# EAGLE board working (EAGLE 9.5.2), part 3 of 4 (continued)
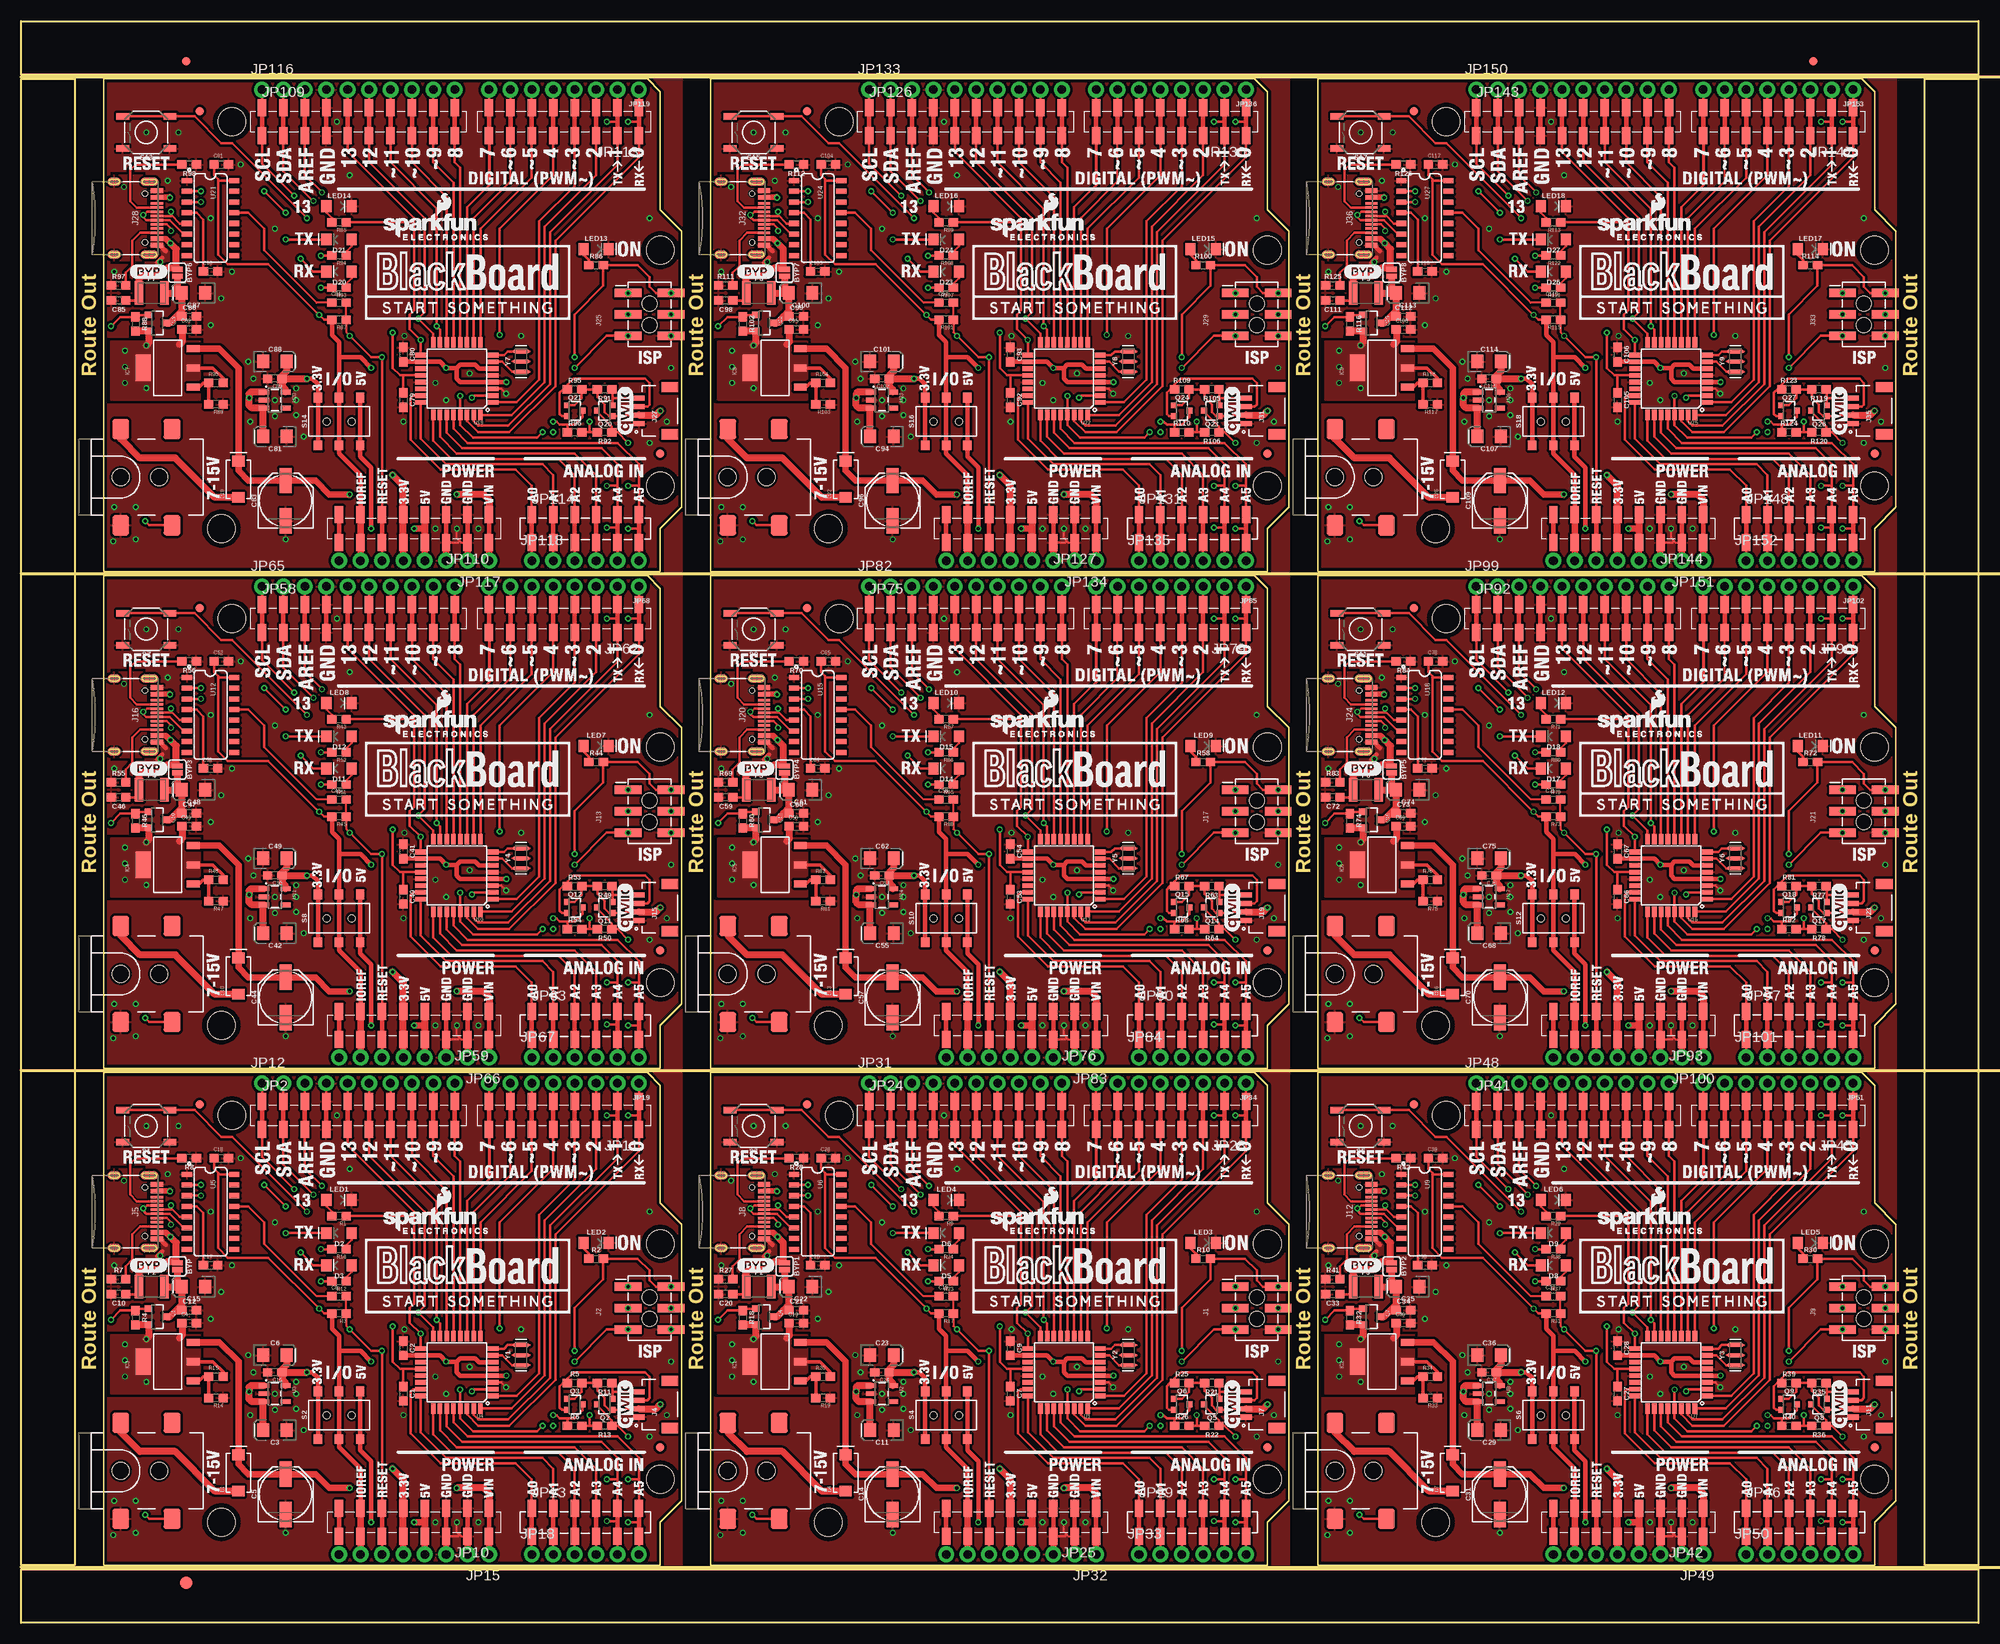
[diagram p0: board, top side]
## Tracks (layer width: path | path; a pad name or v marks a point on that pad's centre or on a via) (continued)
GND  (via drill 0.38, 0.38 pad 0.51)
  Top 0.254: JP10.2B 52.2,10.29 52.01,10.48 51.69,10.79 v51.69,11.94
  Top 0.305: U4.3 56.95,28.52 v57.53,27.94 | JP10.3A 51.82,10.29 52.01,10.48 | JP2.4A JP12.4
  Top 0.508: 16.72,44.05 16.13,43.46 | 16.43,45.54 17.14,44.83
  Top 0.762: JP10.2B JP15.2 | JP10.3A JP15.3
  Bottom 0.813: JP14.GND 12.06,46.1 12.57,45.59 12.57,42.42
  other vias: 14.86,58.93 74.55,48.77 50.42,27.18 37.47,60.2 53.21,30.35 59.31,34.8 45.47,34.8 11.05,14.48 38.99,53.85 77.09,30.99 27.56,29.72 27.18,24.64 77.09,34.8 16.51,43.56 23.75,39.24 25.02,42.42 22.48,36.07 22.48,48.77 18.67,58.93 30.1,47.5 33.53,22.86 45.34,24.64 49.15,29.21 17.4,53.21 11.05,42.42 30.1,27.18 32.64,27.18 32.64,28.57 32.64,25.4 30.1,25.27 26.92,31.75 26.04,55.12 13.59,10.67 13.59,14.48 10.92,10.41 31.37,10.67 74.55,22.1 76.58,24.64 54.23,11.94 49.15,11.94
  pour Top (isolate 0.305, rank 2): 9.78,65.28 78.36,65.28 78.36,6.86 9.78,6.86
  pour Bottom (isolate 0.305, rank 2): 9.78,65.28 78.36,65.28 78.36,6.86 9.78,6.86
GND1  (via drill 0.38, 0.38 pad 0.51)
  Top 0.254: JP25.2B 124.2,10.29 124.02,10.48 123.7,10.79 v123.7,11.94
  Top 0.305: U1.3 128.96,28.52 v129.54,27.94 | JP25.3A 123.83,10.29 124.02,10.48 | JP24.4A JP31.4
  Top 0.508: 88.73,44.05 88.14,43.46 | 88.44,45.54 89.15,44.83
  Top 0.762: JP25.2B JP32.2 | JP25.3A JP32.3
  Bottom 0.813: JP30.GND 84.07,46.1 84.58,45.59 84.58,42.42
  other vias: 86.87,58.93 146.56,48.77 122.43,27.18 109.47,60.2 125.22,30.35 131.32,34.8 117.47,34.8 83.06,14.48 111,53.85 149.1,30.99 99.57,29.72 99.19,24.64 149.1,34.8 88.52,43.56 95.76,39.24 97.03,42.42 94.49,36.07 94.49,48.77 90.68,58.93 102.11,47.5 105.54,22.86 117.35,24.64 121.16,29.21 89.41,53.21 83.06,42.42 102.11,27.18 104.65,27.18 104.65,28.57 104.65,25.4 102.11,25.27 98.93,31.75 98.04,55.12 85.6,10.67 85.6,14.48 82.93,10.41 103.38,10.67 146.56,22.1 148.59,24.64 126.24,11.94 121.16,11.94
  pour Top (isolate 0.305, rank 2): 81.79,65.28 150.37,65.28 150.37,6.86 81.79,6.86
  pour Bottom (isolate 0.305, rank 2): 81.79,65.28 150.37,65.28 150.37,6.86 81.79,6.86
GND2  (via drill 0.38, 0.38 pad 0.51)
  Top 0.254: JP42.2B 196.21,10.29 196.02,10.48 195.71,10.79 v195.71,11.94
  Top 0.305: U7.3 200.97,28.52 v201.55,27.94 | JP42.3A 195.84,10.29 196.02,10.48 | JP41.4A JP48.4
  Top 0.508: 160.74,44.05 160.15,43.46 | 160.45,45.54 161.16,44.83
  Top 0.762: JP42.2B JP49.2 | JP42.3A JP49.3
  Bottom 0.813: JP47.GND 156.08,46.1 156.59,45.59 156.59,42.42
  other vias: 158.88,58.93 218.57,48.77 194.44,27.18 181.48,60.2 197.23,30.35 203.33,34.8 189.48,34.8 155.07,14.48 183.01,53.85 221.11,30.99 171.58,29.72 171.2,24.64 221.11,34.8 160.53,43.56 167.77,39.24 169.04,42.42 166.5,36.07 166.5,48.77 162.69,58.93 174.12,47.5 177.55,22.86 189.36,24.64 193.17,29.21 161.42,53.21 155.07,42.42 174.12,27.18 176.66,27.18 176.66,28.57 176.66,25.4 174.12,25.27 170.94,31.75 170.05,55.12 157.61,10.67 157.61,14.48 154.94,10.41 175.39,10.67 218.57,22.1 220.6,24.64 198.25,11.94 193.17,11.94
  pour Top (isolate 0.305, rank 2): 153.8,65.28 222.38,65.28 222.38,6.86 153.8,6.86
  pour Bottom (isolate 0.305, rank 2): 153.8,65.28 222.38,65.28 222.38,6.86 153.8,6.86
GND3  (via drill 0.38, 0.38 pad 0.51)
  Top 0.254: JP59.2B 52.2,69.22 52.01,69.41 51.69,69.72 v51.69,70.87
  Top 0.305: U10.3 56.95,87.45 v57.53,86.87 | JP59.3A 51.82,69.22 52.01,69.41 | JP58.4A JP65.4
  Top 0.508: 16.72,102.98 16.13,102.39 | 16.43,104.47 17.14,103.76
  Top 0.762: JP59.2B JP66.2 | JP59.3A JP66.3
  Bottom 0.813: JP64.GND 12.06,105.03 12.57,104.52 12.57,101.35
  other vias: 14.86,117.86 74.55,107.7 50.42,86.11 37.47,119.13 53.21,89.28 59.31,93.73 45.47,93.73 11.05,73.41 38.99,112.78 77.09,89.92 27.56,88.65 27.18,83.57 77.09,93.73 16.51,102.49 23.75,98.17 25.02,101.35 22.48,95 22.48,107.7 18.67,117.86 30.1,106.43 33.53,81.79 45.34,83.57 49.15,88.14 17.4,112.14 11.05,101.35 30.1,86.11 32.64,86.11 32.64,87.5 32.64,84.33 30.1,84.2 26.92,90.68 26.04,114.05 13.59,69.6 13.59,73.41 10.92,69.34 31.37,69.6 74.55,81.03 76.58,83.57 54.23,70.87 49.15,70.87
  pour Top (isolate 0.305, rank 2): 9.78,124.21 78.36,124.21 78.36,65.79 9.78,65.79
  pour Bottom (isolate 0.305, rank 2): 9.78,124.21 78.36,124.21 78.36,65.79 9.78,65.79
GND4  (via drill 0.38, 0.38 pad 0.51)
  Top 0.254: JP76.2B 124.2,69.22 124.02,69.41 123.7,69.72 v123.7,70.87
  Top 0.305: U13.3 128.96,87.45 v129.54,86.87 | JP76.3A 123.83,69.22 124.02,69.41 | JP75.4A JP82.4
  Top 0.508: 88.73,102.98 88.14,102.39 | 88.44,104.47 89.15,103.76
  Top 0.762: JP76.2B JP83.2 | JP76.3A JP83.3
  Bottom 0.813: JP81.GND 84.07,105.03 84.58,104.52 84.58,101.35
  other vias: 86.87,117.86 146.56,107.7 122.43,86.11 109.47,119.13 125.22,89.28 131.32,93.73 117.47,93.73 83.06,73.41 111,112.78 149.1,89.92 99.57,88.65 99.19,83.57 149.1,93.73 88.52,102.49 95.76,98.17 97.03,101.35 94.49,95 94.49,107.7 90.68,117.86 102.11,106.43 105.54,81.79 117.35,83.57 121.16,88.14 89.41,112.14 83.06,101.35 102.11,86.11 104.65,86.11 104.65,87.5 104.65,84.33 102.11,84.2 98.93,90.68 98.04,114.05 85.6,69.6 85.6,73.41 82.93,69.34 103.38,69.6 146.56,81.03 148.59,83.57 126.24,70.87 121.16,70.87
  pour Top (isolate 0.305, rank 2): 81.79,124.21 150.37,124.21 150.37,65.79 81.79,65.79
  pour Bottom (isolate 0.305, rank 2): 81.79,124.21 150.37,124.21 150.37,65.79 81.79,65.79
GND5  (via drill 0.38, 0.38 pad 0.51)
  Top 0.254: JP93.2B 196.21,69.22 196.02,69.41 195.71,69.72 v195.71,70.87
  Top 0.305: U16.3 200.97,87.45 v201.55,86.87 | JP93.3A 195.84,69.22 196.02,69.41 | JP92.4A JP99.4
  Top 0.508: 160.74,102.98 160.15,102.39 | 160.45,104.47 161.16,103.76
  Top 0.762: JP93.2B JP100.2 | JP93.3A JP100.3
  Bottom 0.813: JP98.GND 156.08,105.03 156.59,104.52 156.59,101.35
  other vias: 158.88,117.86 218.57,107.7 194.44,86.11 181.48,119.13 197.23,89.28 203.33,93.73 189.48,93.73 155.07,73.41 183.01,112.78 221.11,89.92 171.58,88.65 171.2,83.57 221.11,93.73 160.53,102.49 167.77,98.17 169.04,101.35 166.5,95 166.5,107.7 162.69,117.86 174.12,106.43 177.55,81.79 189.36,83.57 193.17,88.14 161.42,112.14 155.07,101.35 174.12,86.11 176.66,86.11 176.66,87.5 176.66,84.33 174.12,84.2 170.94,90.68 170.05,114.05 157.61,69.6 157.61,73.41 154.94,69.34 175.39,69.6 218.57,81.03 220.6,83.57 198.25,70.87 193.17,70.87
  pour Top (isolate 0.305, rank 2): 153.8,124.21 222.38,124.21 222.38,65.79 153.8,65.79
  pour Bottom (isolate 0.305, rank 2): 153.8,124.21 222.38,124.21 222.38,65.79 153.8,65.79
GND6  (via drill 0.38, 0.38 pad 0.51)
  Top 0.254: JP110.2B 52.2,128.14 52.01,128.33 51.69,128.65 v51.69,129.79
  Top 0.305: U19.3 56.95,146.37 v57.53,145.8 | JP110.3A 51.82,128.14 52.01,128.33 | JP109.4A JP116.4
  Top 0.508: 16.72,161.91 16.13,161.31 | 16.43,163.4 17.14,162.69
  Top 0.762: JP110.2B JP117.2 | JP110.3A JP117.3
  Bottom 0.813: JP115.GND 12.06,163.96 12.57,163.45 12.57,160.27
  other vias: 14.86,176.78 74.55,166.62 50.42,145.03 37.47,178.05 53.21,148.21 59.31,152.65 45.47,152.65 11.05,132.33 38.99,171.7 77.09,148.84 27.56,147.57 27.18,142.49 77.09,152.65 16.51,161.42 23.75,157.1 25.02,160.27 22.48,153.92 22.48,166.62 18.67,176.78 30.1,165.35 33.53,140.72 45.34,142.49 49.15,147.07 17.4,171.07 11.05,160.27 30.1,145.03 32.64,145.03 32.64,146.43 32.64,143.26 30.1,143.13 26.92,149.61 26.04,172.97 13.59,128.52 13.59,132.33 10.92,128.27 31.37,128.52 74.55,139.95 76.58,142.49 54.23,129.79 49.15,129.79
  pour Top (isolate 0.305, rank 2): 9.78,183.13 78.36,183.13 78.36,124.71 9.78,124.71
  pour Bottom (isolate 0.305, rank 2): 9.78,183.13 78.36,183.13 78.36,124.71 9.78,124.71
GND7  (via drill 0.38, 0.38 pad 0.51)
  Top 0.254: JP127.2B 124.2,128.14 124.02,128.33 123.7,128.65 v123.7,129.79
  Top 0.305: U22.3 128.96,146.37 v129.54,145.8 | JP127.3A 123.83,128.14 124.02,128.33 | JP126.4A JP133.4
  Top 0.508: 88.73,161.91 88.14,161.31 | 88.44,163.4 89.15,162.69
  Top 0.762: JP127.2B JP134.2 | JP127.3A JP134.3
  Bottom 0.813: JP132.GND 84.07,163.96 84.58,163.45 84.58,160.27
  other vias: 86.87,176.78 146.56,166.62 122.43,145.03 109.47,178.05 125.22,148.21 131.32,152.65 117.47,152.65 83.06,132.33 111,171.7 149.1,148.84 99.57,147.57 99.19,142.49 149.1,152.65 88.52,161.42 95.76,157.1 97.03,160.27 94.49,153.92 94.49,166.62 90.68,176.78 102.11,165.35 105.54,140.72 117.35,142.49 121.16,147.07 89.41,171.07 83.06,160.27 102.11,145.03 104.65,145.03 104.65,146.43 104.65,143.26 102.11,143.13 98.93,149.61 98.04,172.97 85.6,128.52 85.6,132.33 82.93,128.27 103.38,128.52 146.56,139.95 148.59,142.49 126.24,129.79 121.16,129.79
  pour Top (isolate 0.305, rank 2): 81.79,183.13 150.37,183.13 150.37,124.71 81.79,124.71
  pour Bottom (isolate 0.305, rank 2): 81.79,183.13 150.37,183.13 150.37,124.71 81.79,124.71
GND8  (via drill 0.38, 0.38 pad 0.51)
  Top 0.254: JP144.2B 196.21,128.14 196.02,128.33 195.71,128.65 v195.71,129.79
  Top 0.305: U25.3 200.97,146.37 v201.55,145.8 | JP144.3A 195.84,128.14 196.02,128.33 | JP143.4A JP150.4
  Top 0.508: 160.74,161.91 160.15,161.31 | 160.45,163.4 161.16,162.69
  Top 0.762: JP144.2B JP151.2 | JP144.3A JP151.3
  Bottom 0.813: JP149.GND 156.08,163.96 156.59,163.45 156.59,160.27
  other vias: 158.88,176.78 218.57,166.62 194.44,145.03 181.48,178.05 197.23,148.21 203.33,152.65 189.48,152.65 155.07,132.33 183.01,171.7 221.11,148.84 171.58,147.57 171.2,142.49 221.11,152.65 160.53,161.42 167.77,157.1 169.04,160.27 166.5,153.92 166.5,166.62 162.69,176.78 174.12,165.35 177.55,140.72 189.36,142.49 193.17,147.07 161.42,171.07 155.07,160.27 174.12,145.03 176.66,145.03 176.66,146.43 176.66,143.26 174.12,143.13 170.94,149.61 170.05,172.97 157.61,128.52 157.61,132.33 154.94,128.27 175.39,128.52 218.57,139.95 220.6,142.49 198.25,129.79 193.17,129.79
  pour Top (isolate 0.305, rank 2): 153.8,183.13 222.38,183.13 222.38,124.71 153.8,124.71
  pour Bottom (isolate 0.305, rank 2): 153.8,183.13 222.38,183.13 222.38,124.71 153.8,124.71
INSERT  (via drill 0.38)
  Top 0.305: J3.P$4 15.22,12.33 v14.73,12.83 | Q1.1 13.82,37.27 R4.1 11.77,37.05 v10.67,35.94
  Bottom 0.305: v14.73,12.83 14.73,21.72 10.67,25.78 v10.67,35.94
INSERT1  (via drill 0.38)
  Top 0.305: J6.P$4 87.23,12.33 v86.74,12.83 | Q4.1 85.83,37.27 R18.1 83.78,37.05 v82.68,35.94
  Bottom 0.305: v86.74,12.83 86.74,21.72 82.68,25.78 v82.68,35.94
INSERT2  (via drill 0.38)
  Top 0.305: J10.P$4 159.24,12.33 v158.75,12.83 | Q7.1 157.83,37.27 R32.1 155.79,37.05 v154.69,35.94
  Bottom 0.305: v158.75,12.83 158.75,21.72 154.69,25.78 v154.69,35.94
INSERT3  (via drill 0.38)
  Top 0.305: J14.P$4 15.22,71.26 v14.73,71.76 | Q10.1 13.82,96.2 R46.1 11.77,95.97 v10.67,94.87
  Bottom 0.305: v14.73,71.76 14.73,80.65 10.67,84.71 v10.67,94.87
INSERT4  (via drill 0.38)
  Top 0.305: J18.P$4 87.23,71.26 v86.74,71.76 | Q13.1 85.83,96.2 R60.1 83.78,95.97 v82.68,94.87
  Bottom 0.305: v86.74,71.76 86.74,80.65 82.68,84.71 v82.68,94.87
INSERT5  (via drill 0.38)
  Top 0.305: J22.P$4 159.24,71.26 v158.75,71.76 | Q16.1 157.83,96.2 R74.1 155.79,95.97 v154.69,94.87
  Bottom 0.305: v158.75,71.76 158.75,80.65 154.69,84.71 v154.69,94.87
INSERT6  (via drill 0.38)
  Top 0.305: J26.P$4 15.22,130.19 v14.73,130.68 | Q19.1 13.82,155.13 R88.1 11.77,154.9 v10.67,153.8
  Bottom 0.305: v14.73,130.68 14.73,139.57 10.67,143.64 v10.67,153.8
INSERT7  (via drill 0.38)
  Top 0.305: J30.P$4 87.23,130.19 v86.74,130.68 | Q22.1 85.83,155.13 R102.1 83.78,154.9 v82.68,153.8
  Bottom 0.305: v86.74,130.68 86.74,139.57 82.68,143.64 v82.68,153.8
INSERT8  (via drill 0.38)
  Top 0.305: J34.P$4 159.24,130.19 v158.75,130.68 | Q25.1 157.83,155.13 R116.1 155.79,154.9 v154.69,153.8
  Bottom 0.305: v158.75,130.68 158.75,139.57 154.69,143.64 v154.69,153.8
LV_SCL
  Top 0.305: Q2.2 70.14,27.43 | 70.14,27.43 70.14,28.37 R11.1 | J4.4 70.16,27.41 70.14,27.43
LV_SCL1
  Top 0.305: Q5.2 142.15,27.43 | 142.15,27.43 142.15,28.37 R21.1 | J7.4 142.17,27.41 142.15,27.43
LV_SCL2
  Top 0.305: Q8.2 214.16,27.43 | 214.16,27.43 214.16,28.37 R35.1 | J11.4 214.18,27.41 214.16,27.43
LV_SCL3
  Top 0.305: Q11.2 70.14,86.36 | 70.14,86.36 70.14,87.3 R49.1 | J15.4 70.16,86.34 70.14,86.36
LV_SCL4
  Top 0.305: Q14.2 142.15,86.36 | 142.15,86.36 142.15,87.3 R63.1 | J19.4 142.17,86.34 142.15,86.36
LV_SCL5
  Top 0.305: Q17.2 214.16,86.36 | 214.16,86.36 214.16,87.3 R77.1 | J23.4 214.18,86.34 214.16,86.36
LV_SCL6
  Top 0.305: Q20.2 70.14,145.29 | 70.14,145.29 70.14,146.23 R91.1 | J27.4 70.16,145.26 70.14,145.29
LV_SCL7
  Top 0.305: Q23.2 142.15,145.29 | 142.15,145.29 142.15,146.23 R105.1 | J31.4 142.17,145.26 142.15,145.29
LV_SCL8
  Top 0.305: Q26.2 214.16,145.29 | 214.16,145.29 214.16,146.23 R119.1 | J35.4 214.18,145.26 214.16,145.29
LV_SDA
  Top 0.305: J4.3 74.29,26.41 74.55,26.67 74.55,29.21 74.04,29.72 65.53,29.72 64.81,29 R5.1 64.26,28.45 63.88,28.07 63.88,25.53 64.15,25.26 Q3.2
LV_SDA1
  Top 0.305: J7.3 146.3,26.41 146.56,26.67 146.56,29.21 146.05,29.72 137.54,29.72 136.82,29 R25.1 136.27,28.45 135.89,28.07 135.89,25.53 136.16,25.26 Q6.2
LV_SDA2
  Top 0.305: J11.3 218.31,26.41 218.57,26.67 218.57,29.21 218.06,29.72 209.55,29.72 208.83,29 R39.1 208.28,28.45 207.9,28.07 207.9,25.53 208.17,25.26 Q9.2
LV_SDA3
  Top 0.305: J15.3 74.29,85.34 74.55,85.6 74.55,88.14 74.04,88.65 65.53,88.65 64.81,87.92 R53.1 64.26,87.38 63.88,87 63.88,84.45 64.15,84.19 Q12.2
LV_SDA4
  Top 0.305: J19.3 146.3,85.34 146.56,85.6 146.56,88.14 146.05,88.65 137.54,88.65 136.82,87.92 R67.1 136.27,87.38 135.89,87 135.89,84.45 136.16,84.19 Q15.2
LV_SDA5
  Top 0.305: J23.3 218.31,85.34 218.57,85.6 218.57,88.14 218.06,88.65 209.55,88.65 208.83,87.92 R81.1 208.28,87.38 207.9,87 207.9,84.45 208.17,84.19 Q18.2
LV_SDA6
  Top 0.305: J27.3 74.29,144.26 74.55,144.53 74.55,147.07 74.04,147.57 65.53,147.57 64.81,146.85 R95.1 64.26,146.3 63.88,145.92 63.88,143.38 64.15,143.11 Q21.2
LV_SDA7
  Top 0.305: J31.3 146.3,144.26 146.56,144.53 146.56,147.07 146.05,147.57 137.54,147.57 136.82,146.85 R109.1 136.27,146.3 135.89,145.92 135.89,143.38 136.16,143.11 Q24.2
LV_SDA8
  Top 0.305: J35.3 218.31,144.26 218.57,144.53 218.57,147.07 218.06,147.57 209.55,147.57 208.83,146.85 R123.1 208.28,146.3 207.9,145.92 207.9,143.38 208.17,143.11 Q27.2
MISO  (via drill 0.38, 0.38 pad 0.51)
  Top 0.254: JP2.6A JP2.6B
  Top 0.305: U4.16 48.89,35.06 v47.12,36.83 47.88,37.59 47.88,48.77 41.27,55.37 JP2.6B | JP2.6A JP12.6
  Bottom 0.305: v47.12,36.83 49.02,38.73 68.45,38.73 69.6,39.88 J2.1 TP4.P$1
  other vias: 72.01,39.88
MISO1  (via drill 0.38, 0.38 pad 0.51)
  Top 0.254: JP24.6A JP24.6B
  Top 0.305: U1.16 120.9,35.06 v119.13,36.83 119.89,37.59 119.89,48.77 113.28,55.37 JP24.6B | JP24.6A JP31.6
  Bottom 0.305: v119.13,36.83 121.03,38.73 140.46,38.73 141.6,39.88 J1.1 TP10.P$1
  other vias: 144.02,39.88
MISO2  (via drill 0.38, 0.38 pad 0.51)
  Top 0.254: JP41.6A JP41.6B
  Top 0.305: U7.16 192.91,35.06 v191.13,36.83 191.9,37.59 191.9,48.77 185.29,55.37 JP41.6B | JP41.6A JP48.6
  Bottom 0.305: v191.13,36.83 193.04,38.73 212.47,38.73 213.61,39.88 J9.1 TP16.P$1
  other vias: 216.03,39.88
MISO3  (via drill 0.38, 0.38 pad 0.51)
  Top 0.254: JP58.6A JP58.6B
  Top 0.305: U10.16 48.89,93.99 v47.12,95.76 47.88,96.52 47.88,107.7 41.27,114.3 JP58.6B | JP58.6A JP65.6
  Bottom 0.305: v47.12,95.76 49.02,97.66 68.45,97.66 69.6,98.81 J13.1 TP22.P$1
  other vias: 72.01,98.81
MISO4  (via drill 0.38, 0.38 pad 0.51)
  Top 0.254: JP75.6A JP75.6B
  Top 0.305: U13.16 120.9,93.99 v119.13,95.76 119.89,96.52 119.89,107.7 113.28,114.3 JP75.6B | JP75.6A JP82.6
  Bottom 0.305: v119.13,95.76 121.03,97.66 140.46,97.66 141.6,98.81 J17.1 TP28.P$1
  other vias: 144.02,98.81
MISO5  (via drill 0.38, 0.38 pad 0.51)
  Top 0.254: JP92.6A JP92.6B
  Top 0.305: U16.16 192.91,93.99 v191.13,95.76 191.9,96.52 191.9,107.7 185.29,114.3 JP92.6B | JP92.6A JP99.6
  Bottom 0.305: v191.13,95.76 193.04,97.66 212.47,97.66 213.61,98.81 J21.1 TP34.P$1
  other vias: 216.03,98.81
MISO6  (via drill 0.38, 0.38 pad 0.51)
  Top 0.254: JP109.6A JP109.6B
  Top 0.305: U19.16 48.89,152.91 v47.12,154.69 47.88,155.45 47.88,166.62 41.27,173.23 JP109.6B | JP109.6A JP116.6
  Bottom 0.305: v47.12,154.69 49.02,156.59 68.45,156.59 69.6,157.73 J25.1 TP40.P$1
  other vias: 72.01,157.73
MISO7  (via drill 0.38, 0.38 pad 0.51)
  Top 0.254: JP126.6A JP126.6B
  Top 0.305: U22.16 120.9,152.91 v119.13,154.69 119.89,155.45 119.89,166.62 113.28,173.23 JP126.6B | JP126.6A JP133.6
  Bottom 0.305: v119.13,154.69 121.03,156.59 140.46,156.59 141.6,157.73 J29.1 TP46.P$1
  other vias: 144.02,157.73
MISO8  (via drill 0.38, 0.38 pad 0.51)
  Top 0.254: JP143.6A JP143.6B
  Top 0.305: U25.16 192.91,152.91 v191.13,154.69 191.9,155.45 191.9,166.62 185.29,173.23 JP143.6B | JP143.6A JP150.6
  Bottom 0.305: v191.13,154.69 193.04,156.59 212.47,156.59 213.61,157.73 J33.1 TP52.P$1
  other vias: 216.03,157.73
MOSI  (via drill 0.38, 0.38 pad 0.51)
  Top 0.254: JP2.7A JP2.7B
  Top 0.305: U4.15 49.69,35.53 v49.28,35.94 49.28,49.91 43.81,55.37 JP2.7B | JP2.7A JP12.7
  Bottom 0.305: v49.28,35.94 66.67,35.94 70.74,31.88 75.82,31.88 77.89,33.95 77.89,35.51 77.09,36.31 J2.4 TP2.P$1
  other vias: 77.09,37.34
MOSI1  (via drill 0.38, 0.38 pad 0.51)
  Top 0.254: JP24.7A JP24.7B
  Top 0.305: U1.15 121.7,35.53 v121.28,35.94 121.28,49.91 115.82,55.37 JP24.7B | JP24.7A JP31.7
  Bottom 0.305: v121.28,35.94 138.68,35.94 142.75,31.88 147.83,31.88 149.9,33.95 149.9,35.51 149.1,36.31 J1.4 TP8.P$1
  other vias: 149.1,37.34
MOSI2  (via drill 0.38, 0.38 pad 0.51)
  Top 0.254: JP41.7A JP41.7B
  Top 0.305: U7.15 193.71,35.53 v193.29,35.94 193.29,49.91 187.83,55.37 JP41.7B | JP41.7A JP48.7
  Bottom 0.305: v193.29,35.94 210.69,35.94 214.76,31.88 219.84,31.88 221.91,33.95 221.91,35.51 221.11,36.31 J9.4 TP14.P$1
  other vias: 221.11,37.34
MOSI3  (via drill 0.38, 0.38 pad 0.51)
  Top 0.254: JP58.7A JP58.7B
  Top 0.305: U10.15 49.69,94.46 v49.28,94.87 49.28,108.84 43.81,114.3 JP58.7B | JP58.7A JP65.7
  Bottom 0.305: v49.28,94.87 66.67,94.87 70.74,90.81 75.82,90.81 77.89,92.88 77.89,94.44 77.09,95.24 J13.4 TP20.P$1
  other vias: 77.09,96.27
MOSI4  (via drill 0.38, 0.38 pad 0.51)
  Top 0.254: JP75.7A JP75.7B
  Top 0.305: U13.15 121.7,94.46 v121.28,94.87 121.28,108.84 115.82,114.3 JP75.7B | JP75.7A JP82.7
  Bottom 0.305: v121.28,94.87 138.68,94.87 142.75,90.81 147.83,90.81 149.9,92.88 149.9,94.44 149.1,95.24 J17.4 TP26.P$1
  other vias: 149.1,96.27
MOSI5  (via drill 0.38, 0.38 pad 0.51)
  Top 0.254: JP92.7A JP92.7B
  Top 0.305: U16.15 193.71,94.46 v193.29,94.87 193.29,108.84 187.83,114.3 JP92.7B | JP92.7A JP99.7
  Bottom 0.305: v193.29,94.87 210.69,94.87 214.76,90.81 219.84,90.81 221.91,92.88 221.91,94.44 221.11,95.24 J21.4 TP32.P$1
  other vias: 221.11,96.27
MOSI6  (via drill 0.38, 0.38 pad 0.51)
  Top 0.254: JP109.7A JP109.7B
  Top 0.305: U19.15 49.69,153.38 v49.28,153.8 49.28,167.77 43.81,173.23 JP109.7B | JP109.7A JP116.7
  Bottom 0.305: v49.28,153.8 66.67,153.8 70.74,149.73 75.82,149.73 77.89,151.8 77.89,153.37 77.09,154.17 J25.4 TP38.P$1
  other vias: 77.09,155.19
MOSI7  (via drill 0.38, 0.38 pad 0.51)
  Top 0.254: JP126.7A JP126.7B
  Top 0.305: U22.15 121.7,153.38 v121.28,153.8 121.28,167.77 115.82,173.23 JP126.7B | JP126.7A JP133.7
  Bottom 0.305: v121.28,153.8 138.68,153.8 142.75,149.73 147.83,149.73 149.9,151.8 149.9,153.37 149.1,154.17 J29.4 TP44.P$1
  other vias: 149.1,155.19
MOSI8  (via drill 0.38, 0.38 pad 0.51)
  Top 0.254: JP143.7A JP143.7B
  Top 0.305: U25.15 193.71,153.38 v193.29,153.8 193.29,167.77 187.83,173.23 JP143.7B | JP143.7A JP150.7
  Bottom 0.305: v193.29,153.8 210.69,153.8 214.76,149.73 219.84,149.73 221.91,151.8 221.91,153.37 221.11,154.17 J33.4 TP50.P$1
  other vias: 221.11,155.19
N$1
  Top 0.305: R1.2 36.87,48.73 36.22,49.38 LED1.A
N$2
  Top 0.356: R2.1 67.35,43.78 66.7,44.43 LED2.A
N$3
  Top 0.305: U4.7 57.06,31.72 58.22,30.55 Y1.1
N$4
  Top 0.305: U4.8 57.28,32.52 57.72,32.95 Y1.3
N$5
  Top 0.305: R16.1 38.57,44.79 39.22,45.44 D2.A
N$6
  Top 0.305: U5.4 20.83,49.4 21.63,48.6 C17.1
N$7  (via drill 0.38)
  Top 0.305: Q2.3 68.36,25.83 68.36,25.74 70.06,24.04 R13.1 70.74,23.37 v72.01,22.1
  Bottom 0.305: QW1.2 70.23,21.21 71.12,22.1 v72.01,22.1
N$8
  Top 0.356: R10.1 139.36,43.78 138.71,44.43 LED3.A
N$9
  Top 0.305: R12.1 38.57,40.98 39.22,41.63 D3.A
N$10
  Top 0.305: R9.2 108.88,48.73 108.23,49.38 LED4.A
N$11
  Top 0.406: IC1.1 93.11,28.72 93.6,29.21 R20.1 R19.2
N$12
  Top 0.305: U1.7 129.06,31.72 130.23,30.55 Y2.1
N$13
  Top 0.305: U1.8 129.29,32.52 129.72,32.95 Y2.3
N$14
  Top 0.305: R24.1 110.58,44.79 111.23,45.44 D6.A
N$15
  Top 0.406: IC3.1 21.1,28.72 21.59,29.21 R15.1 R14.2
N$16
  Top 0.305: R23.1 110.58,40.98 111.23,41.63 D5.A
N$17
  Top 0.305: U6.4 92.84,49.4 93.64,48.6 C25.1
N$18  (via drill 0.38)
  Top 0.305: Q5.3 140.37,25.83 140.37,25.74 142.07,24.04 R22.1 142.75,23.37 v144.02,22.1
  Bottom 0.305: QW4.2 142.24,21.21 143.13,22.1 v144.02,22.1
N$19  (via drill 0.38)
  Top 0.254: 136.82,24.22 136.78,24.26
  Top 0.305: v135.13,24.64 135.51,24.64 135.89,24.26 136.78,24.26 137.67,24.26 138.59,25.18 Q6.3 | R26.1 136.82,24.22
  Bottom 0.305: QW3.2 138.43,23.88 137.67,24.64 v135.13,24.64
N$20
  Top 0.356: R30.1 211.37,43.78 210.72,44.43 LED5.A
N$21
  Top 0.305: R29.2 180.89,48.73 180.24,49.38 LED6.A
N$22
  Top 0.406: IC2.1 165.12,28.72 165.61,29.21 R34.1 R33.2
N$23
  Top 0.305: U7.7 201.07,31.72 202.24,30.55 Y3.1
N$24
  Top 0.305: U7.8 201.3,32.52 201.73,32.95 Y3.3
N$25
  Top 0.305: R38.1 182.59,44.79 183.24,45.44 D9.A
N$26
  Top 0.305: R37.1 182.59,40.98 183.24,41.63 D8.A
N$27
  Top 0.305: U9.4 164.85,49.4 165.65,48.6 C38.1
N$28  (via drill 0.38)
  Top 0.305: Q8.3 212.38,25.83 212.38,25.74 214.08,24.04 R36.1 214.76,23.37 v216.03,22.1
  Bottom 0.305: QW6.2 214.25,21.21 215.14,22.1 v216.03,22.1
N$29  (via drill 0.38)
  Top 0.254: 208.83,24.22 208.79,24.26
  Top 0.305: v207.14,24.64 207.52,24.64 207.9,24.26 208.79,24.26 209.68,24.26 210.6,25.18 Q9.3 | R40.1 208.83,24.22
  Bottom 0.305: QW5.2 210.44,23.88 209.68,24.64 v207.14,24.64
N$30
  Top 0.356: R44.1 67.35,102.7 66.7,103.35 LED7.A
N$31
  Top 0.305: R43.2 36.87,107.66 36.22,108.31 LED8.A
N$32
  Top 0.406: IC4.1 21.1,87.65 21.59,88.14 R48.1 R47.2
N$33
  Top 0.305: U10.7 57.06,90.65 58.22,89.48 Y4.1
N$34
  Top 0.305: U10.8 57.28,91.45 57.72,91.88 Y4.3
N$35
  Top 0.305: R52.1 38.57,103.72 39.22,104.37 D12.A
N$36
  Top 0.305: R51.1 38.57,99.91 39.22,100.56 D11.A
N$37
  Top 0.305: U12.4 20.83,108.33 21.63,107.53 C51.1
N$38  (via drill 0.38)
  Top 0.305: Q11.3 68.36,84.76 68.36,84.67 70.06,82.97 R50.1 70.74,82.3 v72.01,81.03
  Bottom 0.305: QW8.2 70.23,80.14 71.12,81.03 v72.01,81.03
N$39  (via drill 0.38)
  Top 0.254: 64.81,83.15 64.77,83.19
  Top 0.305: v63.12,83.57 63.5,83.57 63.88,83.19 64.77,83.19 65.66,83.19 66.58,84.11 Q12.3 | R54.1 64.81,83.15
  Bottom 0.305: QW7.2 66.42,82.8 65.66,83.57 v63.12,83.57
N$40
  Top 0.356: R58.1 139.36,102.7 138.71,103.35 LED9.A
N$41
  Top 0.305: R57.2 108.88,107.66 108.23,108.31 LED10.A
N$42
  Top 0.406: IC5.1 93.11,87.65 93.6,88.14 R62.1 R61.2
N$43
  Top 0.305: U13.7 129.06,90.65 130.23,89.48 Y5.1
N$44
  Top 0.305: U13.8 129.29,91.45 129.72,91.88 Y5.3
N$45  (via drill 0.38)
  Top 0.254: 64.81,24.22 64.77,24.26
  Top 0.305: v63.12,24.64 63.5,24.64 63.88,24.26 64.77,24.26 65.66,24.26 66.58,25.18 Q3.3 | R6.1 64.81,24.22
  Bottom 0.305: QW2.2 66.42,23.88 65.66,24.64 v63.12,24.64
N$46
  Top 0.305: R66.1 110.58,103.72 111.23,104.37 D15.A
N$47
  Top 0.305: R65.1 110.58,99.91 111.23,100.56 D14.A
N$48
  Top 0.305: U15.4 92.84,108.33 93.64,107.53 C64.1
N$49  (via drill 0.38)
  Top 0.305: Q14.3 140.37,84.76 140.37,84.67 142.07,82.97 R64.1 142.75,82.3 v144.02,81.03
  Bottom 0.305: QW10.2 142.24,80.14 143.13,81.03 v144.02,81.03
N$50  (via drill 0.38)
  Top 0.254: 136.82,83.15 136.78,83.19
  Top 0.305: v135.13,83.57 135.51,83.57 135.89,83.19 136.78,83.19 137.67,83.19 138.59,84.11 Q15.3 | R68.1 136.82,83.15
  Bottom 0.305: QW9.2 138.43,82.8 137.67,83.57 v135.13,83.57
N$51
  Top 0.356: R72.1 211.37,102.7 210.72,103.35 LED11.A
N$52
  Top 0.305: R71.2 180.89,107.66 180.24,108.31 LED12.A
N$53
  Top 0.406: IC6.1 165.12,87.65 165.61,88.14 R76.1 R75.2
N$54
  Top 0.305: U16.7 201.07,90.65 202.24,89.48 Y6.1
N$55
  Top 0.305: U16.8 201.3,91.45 201.73,91.88 Y6.3
N$56
  Top 0.305: R80.1 182.59,103.72 183.24,104.37 D18.A
N$57
  Top 0.305: R79.1 182.59,99.91 183.24,100.56 D17.A
N$58
  Top 0.305: U18.4 164.85,108.33 165.65,107.53 C77.1
N$59  (via drill 0.38)
  Top 0.305: Q17.3 212.38,84.76 212.38,84.67 214.08,82.97 R78.1 214.76,82.3 v216.03,81.03
  Bottom 0.305: QW12.2 214.25,80.14 215.14,81.03 v216.03,81.03
N$60  (via drill 0.38)
  Top 0.254: 208.83,83.15 208.79,83.19
  Top 0.305: v207.14,83.57 207.52,83.57 207.9,83.19 208.79,83.19 209.68,83.19 210.6,84.11 Q18.3 | R82.1 208.83,83.15
  Bottom 0.305: QW11.2 210.44,82.8 209.68,83.57 v207.14,83.57
N$61
  Top 0.356: R86.1 67.35,161.63 66.7,162.28 LED13.A
N$62
  Top 0.305: R85.2 36.87,166.59 36.22,167.24 LED14.A
N$63
  Top 0.406: IC7.1 21.1,146.57 21.59,147.07 R90.1 R89.2
N$64
  Top 0.305: U19.7 57.06,149.57 58.22,148.41 Y7.1
N$65
  Top 0.305: U19.8 57.28,150.37 57.72,150.81 Y7.3
N$66
  Top 0.305: R94.1 38.57,162.65 39.22,163.3 D21.A
N$67
  Top 0.305: R93.1 38.57,158.84 39.22,159.49 D20.A
N$68
  Top 0.305: U21.4 20.83,167.26 21.63,166.46 C90.1
N$69  (via drill 0.38)
  Top 0.305: Q20.3 68.36,143.69 68.36,143.6 70.06,141.9 R92.1 70.74,141.22 v72.01,139.95
  Bottom 0.305: QW14.2 70.23,139.06 71.12,139.95 v72.01,139.95
N$70  (via drill 0.38)
  Top 0.254: 64.81,142.07 64.77,142.11
  Top 0.305: v63.12,142.49 63.5,142.49 63.88,142.11 64.77,142.11 65.66,142.11 66.58,143.04 Q21.3 | R96.1 64.81,142.07
  Bottom 0.305: QW13.2 66.42,141.73 65.66,142.49 v63.12,142.49
N$71
  Top 0.356: R100.1 139.36,161.63 138.71,162.28 LED15.A
N$72
  Top 0.305: R99.2 108.88,166.59 108.23,167.24 LED16.A
N$73
  Top 0.406: IC8.1 93.11,146.57 93.6,147.07 R104.1 R103.2
N$74
  Top 0.305: U22.7 129.06,149.57 130.23,148.41 Y8.1
N$75
  Top 0.305: U22.8 129.29,150.37 129.72,150.81 Y8.3